# Allegro board RK_TABLET_DEMO1_RK3576_LP4XD200P132SD6_V12_20240530YWQ.brd (continued)
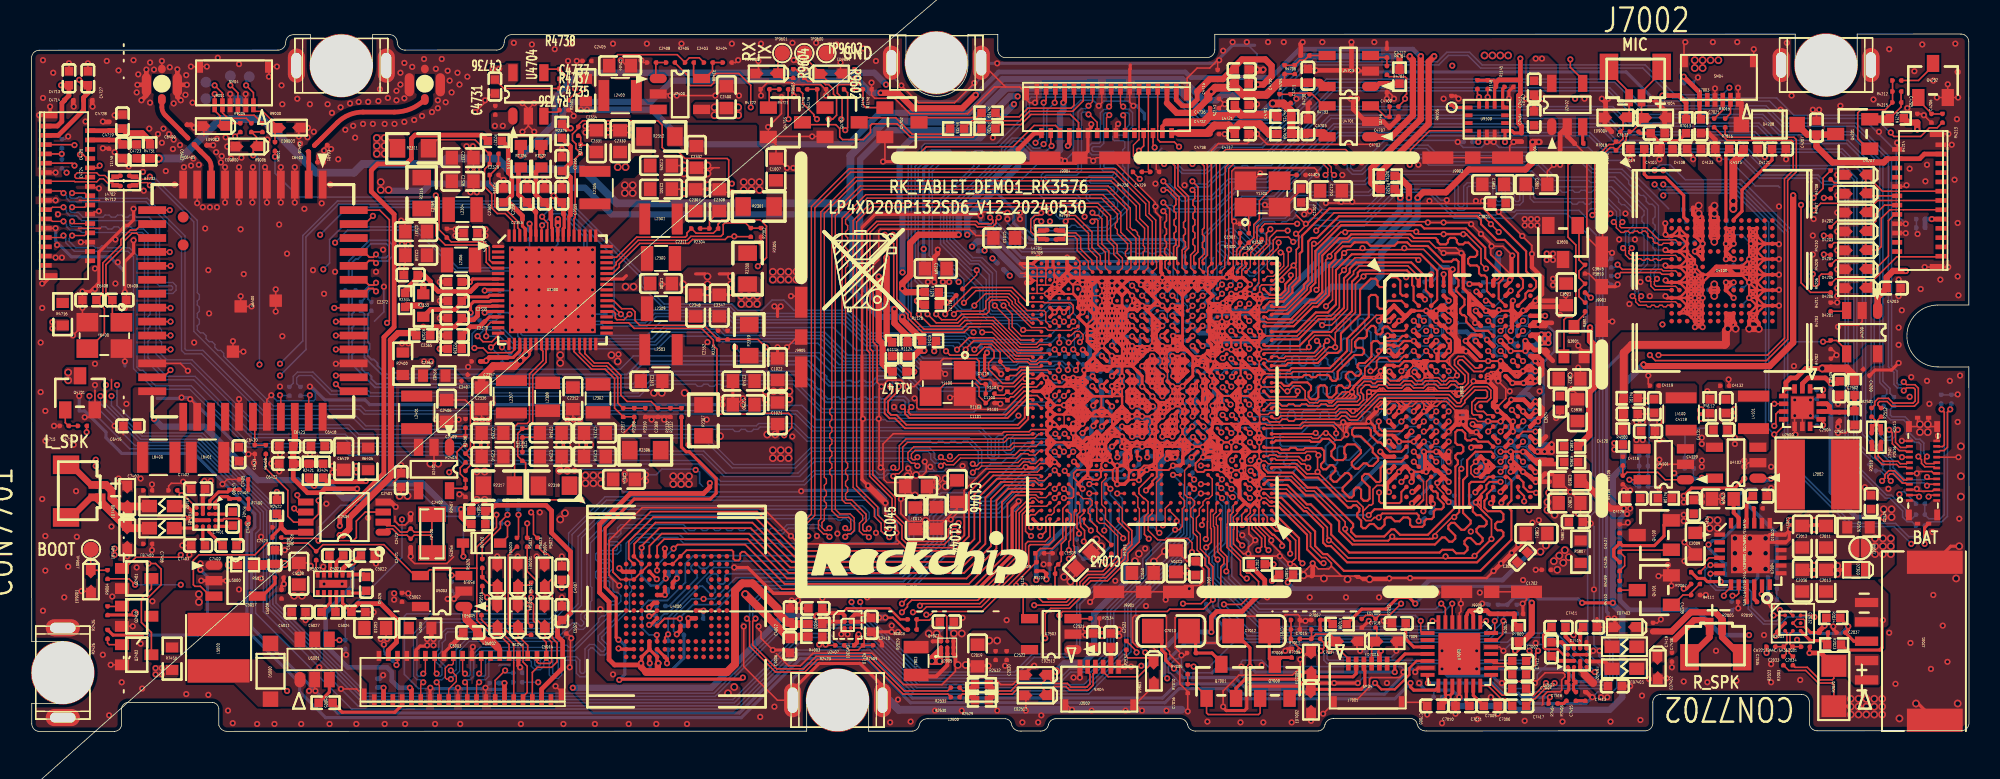
[diagram p0: board, top side]
## Routing (per net, layer and track width the routed paths; a pad name or vN(x,y) marks a point on that pad's centre or on a via; arc(x,y) is an arc through that point) (continued)
  L4-SIG w0.102: v1(95.51,11.53) 97.41,13.44 97.41,15.67 97.84,16.1 97.84,16.61 97.42,17.03 ; 90.37,22.87 v1(89.96,23.27) 89.56,22.87 ; 90.37,22.87 91.78,22.87 91.9,22.99 v1(91.98,22.99) 91.98,23.07 92.15,23.24 93.89,23.24 93.99,23.34 v1(93.99,23.92) ; 90.37,22.87 89.56,22.87 ; v1(95.59,27.82) 95.44,27.82 95.11,28.15 95.11,28.9 95.01,29.01 94.26,29.01 94.16,29.11 94.16,29.58 94.01,29.73 ; v1(95.59,27.82) 95.65,27.76 95.65,26.12 95.44,25.92 v1(95.44,25.87) v1(94.79,25.22) 94.79,25.23 94.44,25.58 94.44,26.97 v1(94.69,27.22) 94.69,27.47 93.46,28.7 93.45,28.7 92.31,29.84 91.9,29.84 ; v1(95.59,27.82) 95.79,28.02 95.79,28.77 v1(95.39,29.17) 95.39,29.25 94.91,29.73 94.01,29.73 ; 79.25,22.88 79.27,22.88 79.28,22.87 86.65,22.87 ; 86.65,22.87 v1(87.06,23.27) 87.46,22.87 ; 86.65,22.87 87.46,22.87 ; 79.8,15.08 80.03,14.86 86.46,14.86 86.83,14.49 88.84,14.49 v1(89.07,14.73) 89.2,14.73 89.72,15.24 89.72,16.5 v1(89.99,16.77) 90.26,17.04 90.26,17.65 90.64,18.03 v1(90.64,18.07) ; 82.24,12.32 80.85,12.32 80.83,12.34 v1(79.99,12.34) 80.35,11.99 80.35,11.65 80.54,11.45 v1(80.54,11.32) ; v1(62.03,38.35) 61.78,38.61 54.44,38.61 51.97,41.07 v1(51.26,41.07) ; v1(77.98,25.91) 78.37,25.52 78.76,25.52 79.07,25.83 v1(79.26,25.83) 79.57,25.83 80.58,24.82 82.42,24.82 v1(82.42,24.82) ; v1(89.84,18.07) 89.81,18.07 89.46,18.41 89.46,18.45 v1(89.19,18.72) 88.88,18.41 88.83,18.41 88.7,18.29 87.25,18.29 v1(87.03,18.07) 87.03,18.93 86.78,19.18 85.61,19.18 85.03,18.6 83.49,18.6 ; v1(89.84,18.07) 89.84,18.16 ; v1(89.84,18.07) 89.72,17.95 89.72,17.38 89.11,16.77 v1(89.04,16.77) ; v1(78.11,17.47) 78.12,17.47 78.52,17.87 78.81,17.87 79.2,17.47 v1(79.22,17.47) 79.27,17.47 80.36,18.56 81.89,18.56 81.99,18.46 81.99,18.16 ; 88.9,26.19 88.9,26.19 88.57,26.52 v1(88.24,26.52) ; 90.29,24.22 90.28,24.22 90.28,24.22 87.41,24.22 87.06,24.57 v1(86.93,24.57) 86.93,24.44 86.7,24.22 85.84,24.22 85.28,23.66 79.9,23.66 79.49,24.07 79.22,24.07 v1(79.22,24.07) ; 90.29,24.22 v1(90.64,24.57) 90.99,24.22 ; 90.29,24.22 90.99,24.22 ; 77.04,13.32 77.04,11.91 77.4,11.56 ; 92.27,14.33 92.73,14.8 v1(93.19,14.8) 92.76,15.22 92.76,15.54 93.01,15.79 94.46,15.79 v1(94.79,16.12) v1(95.44,16.77) ; 92.27,14.33 92.08,14.33 90.01,12.26 88.76,12.26 88.83,12.19 ; 92.27,14.33 91.8,13.86 v1(91.8,13.84) v1(90.57,12.61) 90.15,12.19 88.83,12.19 ; 92.23,16.46 93.38,16.46 93.84,16.92 v1(93.84,17.42) ; 92.23,16.46 v1(93.19,17.42) v1(93.84,17.42) ; 92.23,16.46 91.94,16.46 91.79,16.31 91.79,15.17 v1(91.44,14.82) 91.44,14.61 90.51,13.68 89.6,13.68 v1(89.51,13.59) ; 87.11,16.38 87.85,16.38 v1(88.24,16.77) ; 87.11,16.38 87.21,16.48 87.21,16.92 87.47,17.17 87.84,17.17 v1(88.24,16.77) ; 87.11,16.38 82.09,16.38 81.99,16.48 81.99,18.15 81.99,18.16 ; v1(78.12,12.68) 78.33,12.88 78.46,12.88 79.56,13.97 85.52,13.97 ; v1(78.12,12.68) 77.92,12.88 77.7,12.88 77.6,12.78 77.6,12.19 ; v1(78.12,12.68) 77.64,12.19 77.6,12.19 ; 84.57,31.49 85.4,31.49 ; 84.57,31.49 84.16,31.49 81.65,28.98 80.85,28.98 v1(80.67,29.16) ; 84.57,31.49 v1(83.76,30.68) ; 85.4,31.49 84.8,30.9 v1(84.7,30.9) ; 85.4,31.49 85.68,31.22 v1(85.88,31.22) v1(88.58,31.22) 88.86,31.49 93.09,31.49 94.41,30.18 95.23,30.18 96.3,29.1 96.3,27.26 96.25,27.21 v1(96.25,27.18) ; 87.06,26.52 v1(86.93,26.52) 86.26,26.52 84.56,24.82 v1(84.12,24.82) v1(82.42,24.82) ; 87.06,26.52 87.41,26.17 87.89,26.17 v1(88.24,26.52) ; 87.06,26.52 87.41,26.87 87.76,26.87 88.11,26.52 v1(88.24,26.52) ; 90.45,26.33 v1(90.64,26.52) ; 86.9,13.82 v1(86.93,13.82) ; v1(86.93,13.82) 87.08,13.97 89.09,13.97 89.91,14.79 90.01,14.79 90.19,14.97 90.19,16.13 90.99,16.92 90.99,17.02 91.39,17.42 v1(91.44,17.42) ; v1(86.93,13.82) 86.72,14.02 86.7,14.02 86.4,14.32 85.88,14.32 ; 95.55,30.74 v1(95.55,30.74) 95.43,30.74 94.83,31.34 v1(94.21,31.34) 94.21,31.47 93.54,32.13 v1(93.53,32.13) 93.52,32.13 92.39,32.13 v1(92.38,32.12) 92.37,32.13 91.12,32.13 v1(91.11,32.12) 91.1,32.13 89.58,32.13 89.43,32.28 v1(89.35,32.28) 89.31,32.24 v1(84.76,32.24) 84.15,32.24 83.53,31.62 82.87,31.62 v1(82.75,31.5) ; 95.55,30.74 95.63,30.74 96,31.11 96,31.4 95.35,32.06 94.87,32.06 v1(94.67,32.26) v1(94.16,32.77) 94.05,32.87 93,32.87 v1(92.89,32.77) 92.78,32.87 v1(91.11,32.87) v1(90.1,32.87) 83.87,32.87 83.63,32.64 83.19,32.64 v1(82.9,32.35) 82.74,32.19 82.74,31.51 v1(82.75,31.5) ; 95.55,30.74 97.04,29.25 v1(97.04,27.82) 96.84,27.62 96.84,26.73 96.59,26.48 96.59,25.72 96.39,25.52 v1(96.39,25.22) ; 90.99,24.22 91.59,24.22 91.79,24.42 91.79,25.52 v1(91.44,25.87) ; 110.47,23.7 110.47,18.19 110.33,18.06 106.56,18.06 104.47,15.98 104.47,13.03 100.97,9.52 100.97,7.7 v1(99.49,6.22) 97.87,4.6 86.9,4.6 86.69,4.39 81.82,4.39 80.6,5.61 75.87,5.61 73.59,7.89 73.59,8.1 v1(73.18,8.51) 72.62,9.07 71.71,9.07 69.32,11.45 69.07,11.45 68.76,11.15 68.76,10.79 69.83,9.73 v1(69.93,9.73) 69.93,9.63 71.45,8.1 v1(71.91,8.1) 72.22,8.1 73.99,6.32 74.58,6.32 75.7,5.21 78.92,5.21 80.14,3.99 86.9,3.99 87.1,4.19 98.27,4.19 101.37,7.3 101.37,9.32 104.88,12.83 104.88,15.57 v1(105.03,15.72) ; v1(82.42,24.82) 82.6,25 ; v1(94.67,33.55) 94.67,33.53 v1(96.19,32) 96.81,31.39 v1(96.81,30.84) 97.73,29.92 97.73,27.74 97.31,27.32 97.31,26.39 v1(97.21,26.29) 97.21,26.24 96.99,26.02 96.99,24.78 97.86,23.91 97.86,19.54 v1(97.04,18.72) 96.69,19.07 96.09,19.07 96.07,19.05 ; 87.48,12.26 87.41,12.19 ; 87.48,12.26 84.13,12.26 ; 87.48,12.26 v1(87.8,12.58) 88.19,12.19 ; 87.41,12.19 83.86,12.19 83.79,12.26 ; 87.41,12.19 88.19,12.19 ; 87.38,14.94 87.59,15.15 v1(87.59,15.46) 87.64,15.51 88.43,15.51 ; 87.38,14.94 86.97,14.94 86.55,15.37 80.36,15.37 79.47,16.26 v1(78.63,16.26) 78.4,16.49 78.39,16.49 v1(78.05,16.83) ; 87.38,14.94 87.86,14.94 88.43,15.51 ; 77.6,12.19 77.6,11.99 ; v1(79.26,21.12) 79.35,21.21 82.98,21.21 83.7,21.93 v1(85.2,21.93) v1(86.3,21.93) 91.9,21.93 91.95,21.88 92.03,21.88 92.08,21.82 v1(92.1,21.82) 92.2,21.93 95.26,21.93 95.3,21.97 v1(95.38,21.97) 95.52,21.97 95.91,22.36 95.91,22.94 v1(96.24,23.27) 96.59,23.62 96.59,24.37 v1(96.39,24.57) ; v1(89.04,16.77) v1(88.24,16.77) ; v1(89.04,16.77) v1(89.04,16.12) 88.43,15.51 ; 83.79,12.26 84.13,12.26 ; 83.79,12.26 v1(83.71,12.34) 84.04,12.34 84.13,12.26 ; v1(91.44,18.07) 91.35,18.16 ; v1(19.59,29.69) 19.43,29.69 17.61,27.86 17.61,15.98 18.11,15.47 18.52,15.47 18.87,15.12 18.87,14.91 19.03,14.76 v1(19.03,14.71) 18.88,14.71 18.67,14.5 18.37,14.5 17.5,15.37 17.5,15.47 17.2,15.77 17.2,28.83 v1(18.16,29.79) 19.13,30.76 20.5,30.76 ; 82.28,18.29 83.18,18.29 83.49,18.6 ; 82.28,18.29 82.12,18.29 81.99,18.16 ; 82.28,18.29 82.59,18.6 83.49,18.6 ; J9912.2 49.11,2.93 50.57,4.39 53.47,4.39 54.33,3.53 54.33,2.59 J9912.3 ; v1(84.15,36.75) 84.15,36.8 ; 89.56,22.87 89.09,22.87 89.09,22.87 87.46,22.87 ; v1(93.22,19.34) 92.6,19.34 92.38,19.56 v1(92.38,20.01) 92.38,20.2 91.55,21.03 86.97,21.03 v1(86.77,20.83) 85.4,20.83 v1(85.27,20.69) 85.27,20.61 v1(84.64,19.97) 80.22,19.97 79.52,19.27 v1(79.22,19.27) ; 82.17,32.74 83.15,33.72 ; 82.17,32.74 81.82,32.38 81.51,32.38 81.26,32.64 81.26,33.4 82.68,34.82 87.32,34.82 87.52,35.03 90.45,35.03 90.6,34.87 96.9,34.87 101.43,30.35 ; 82.17,32.74 v1(82.22,32.79) ; v1(94.79,23.92) v1(95.44,24.57) ; v1(97.04,23.27) 97.46,22.85 97.46,21.09 v1(97.05,20.69) ; v1(77.93,26.46) 78.01,26.46 78.4,26.85 82.03,26.85 82.63,27.46 v1(83.52,27.46) 83.86,27.46 84.13,27.73 84.13,28.57 84.38,28.83 85.23,28.83 85.79,29.4 85.94,29.4 v1(85.94,29.39) 85.94,29.42 86.17,29.64 88.4,29.64 v1(88.7,29.34) v1(89.46,29.34) ; 82.6,11.25 82.67,11.18 82.67,10.86 ; 88.83,12.19 88.19,12.19 ; v1(95.44,18.07) 95.44,18.2 ; 97.42,17.03 97.3,17.15 97.3,17.3 v1(97.3,17.3) ; 97.42,17.03 97.42,16.48 v1(97.06,16.12) 96.69,16.12 95.94,15.37 95.94,14.35 95.2,13.62 93.58,13.62 92.87,12.91 v1(92.87,12.91) ; v1(102.34,28.88) 102.75,29.29 102.75,29.59 102.54,29.79 101.98,29.79 ; 89.47,27.69 89.47,28 89.73,28.25 90.1,28.25 90.1,28.18 90.24,28.04 90.24,27.42 v1(89.99,27.17) 89.47,27.69 ; 89.47,27.69 86.73,27.69 86.35,28.07 85.65,28.07 83.83,26.24 v1(83.28,26.24) 83.19,26.24 82.6,25.65 82.6,25.53 ; 4.09,21.11 v1(4.09,22.38) v1(4.09,23.75) v1(4.09,28.57) v1(4.09,29.9) 4.09,33.35 v1(4.35,33.6) 3.81,34.14 ; v1(93.84,17.42) 94.22,17.8 95.06,17.8 v1(95.44,17.42) ; 71.91,34.57 70.89,35.58 70.89,36.14 71,36.25 72.52,36.25 72.67,36.09 75.31,36.09 75.82,36.6 80.29,36.6 82.17,38.48 89.66,38.48 90.82,37.31 95.43,37.31 95.74,37.62 105.22,37.62 106.05,36.79 106.05,24.05 104.98,22.99 v1(104.32,22.99) 102.44,22.99 100.76,21.31 100.76,14.11 97.46,10.81 96.5,10.81 93.92,8.24 93.62,8.24 v1(93.6,8.25) 93.25,7.9 87.76,7.9 87.56,8.1 78.77,8.1 77.45,9.42 77.45,10.74 76.63,11.56 76.63,13.22 76.53,13.32 ; v1(78,22.83) 78,22.85 78.64,23.49 79.45,23.49 79.68,23.27 85.45,23.27 86,23.82 91.82,23.82 v1(92.55,24.55) 93.19,25.19 v1(93.19,25.22) ; v1(79.73,8.66) v1(82.48,8.66) v1(84.81,8.66) v1(86.95,8.66) 87.25,8.97 v1(90.71,8.97) v1(93.45,8.97) 94.06,8.97 97.56,12.47 98.43,12.47 99.8,13.84 v1(99.8,14.05) 100.36,14.6 100.36,21.61 102.39,23.65 102.44,23.65 102.85,24.05 104.17,24.05 104.68,23.55 104.93,23.55 105.64,24.26 105.64,27.76 105.43,27.97 v1(105.43,28.12) 105.44,28.13 v1(105.44,29.13) 105.44,33.35 105.64,33.55 105.64,36.5 105.18,36.96 v1(105.04,36.96) v1(103.16,36.96) 102.91,37.21 95.94,37.21 95.63,36.91 90.66,36.91 89.49,38.07 82.43,38.07 80.55,36.19 79.43,36.19 v1(79.28,36.04) 76.03,36.04 75.47,35.48 75.47,34.87 75.21,34.62 74.55,34.62 74.4,34.77 v1(74.4,35.28) ; v1(89.46,29.34) 89.72,29.34 89.88,29.17 92.19,29.17 92.38,29.36 92.38,29.44 v1(92.41,29.46) 92.38,29.46 92.26,29.59 92.15,29.59 91.9,29.84 ; v1(89.46,29.34) 89.72,29.59 89.75,29.59 90.13,29.96 90.49,29.96 90.55,29.9 91.49,29.9 91.54,29.84 v1(91.7,29.84) 91.9,29.84 ; v1(106,16.69) 106.4,17.09 v1(107.78,17.09) v1(110.52,17.09) 110.77,17.09 110.87,17.2 110.87,23.46 114.31,26.9 114.38,26.9 114.38,32.49 v1(114.99,33.1) 115.34,33.45 115.34,33.81 115.14,34.01 114.73,34.01 113.97,33.25 ; 79.17,8.71 78.77,8.71 77.85,9.63 77.85,10.95 77.5,11.3 ; v1(93.98,20.03) 93.98,20.8 93.82,20.95 92.2,20.95 91.67,21.49 86.65,21.49 86.46,21.3 83.97,21.3 83.24,20.57 80.06,20.57 ; 80.06,29.31 80.52,29.31 81,29.79 81.13,29.79 v1(81.43,30.1) 81.43,30.22 82.71,31.5 v1(82.75,31.5) ; v1(62.31,43.15) 62.37,43.22 76.44,43.22 76.58,43.36 v1(76.63,43.36) ; 93.74,34.26 v1(93.65,34.26) ; v1(7.77,11.71) 7.77,11.33 8.05,11.05 8.05,10.59 7.9,10.44 ; 94.01,29.73 v1(93.85,29.9) 92.85,30.9 v1(92.26,30.9) v1(91.11,30.9) ; 80.49,30.21 80.74,30.21 81.84,31.32 81.84,31.89 v1(81.59,32.15) 81.59,32.41 ; 82.89,33.5 v1(83.52,34.13) 83.87,34.13 84.28,33.72 89.08,33.72 89.46,34.1 ; v1(106.71,44.53) 106.66,44.57 86.69,44.57 v1(86.64,44.53) ; 85.78,13.72 85.86,13.64 86.75,13.64 86.83,13.72 ; v1(78.96,12.35) 78.96,12.49 79.68,13.2 80.31,13.2 v1(80.42,13.31) ; 80.2,29.32 80.06,29.32 ; 91.11,27.5 91.11,27.96 91.24,28.09 91.24,28.25 91.51,28.25 91.79,27.97 91.79,27.52 v1(91.44,27.17) 91.11,27.5
  L4-SIG w0.152: 83.06,11.25 82.28,11.25 ; 83.06,11.25 v1(82.67,10.86) 82.67,10.86 82.28,11.25 ; 83.06,11.25 91.18,11.25 v1(91.24,11.3) 91.28,11.34 91.3,11.34 92.87,12.9 v1(92.87,12.91) ; v1(84.76,13.08) 84.87,13.19 87.12,13.19 87.39,13.46 89.38,13.46 v1(89.51,13.59) ; 80.4,11.25 80.47,11.32 v1(80.54,11.32) ; 80.4,11.25 80.78,11.25 v1(81.21,10.82) 81.64,11.25 82.28,11.25 ; 80.4,11.25 78.34,11.25 77.6,11.99
  L4-SIG w0.203: v1(79.22,27.67) 79.61,28.07 81.84,28.07 82.3,28.52 v1(82.91,28.52) 82.91,29.53 83.18,29.79 v1(84.69,29.79) 84.69,30.01 85.26,30.58 89.34,30.58 89.47,30.45 v1(89.49,30.45) 89.49,30.6 89.79,30.9 v1(91.11,30.9) ; v1(80.42,13.31) 80.52,13.21 84.64,13.21 v1(84.76,13.08) ; 89.89,0.69 89.39,1.19 83.04,1.19 82.56,0.72 v1(82.56,0.69) ; J9915.3 61.32,43.15 v1(62.31,43.15) ; 82.24,12.32 82.36,12.45 83.61,12.45 v1(83.71,12.34) 83.69,12.32 82.24,12.32
  L4-SIG w0.254: 79.79,15.07 v1(79.22,15.07) v1(79.22,15.67) 79.8,15.08 79.79,15.07
  L4-SIG w0.406: J9912.2 49.11,1.04 48.55,0.48 v1(42.29,0.48) v1(40.31,0.48) v1(38.53,0.48) v1(36.35,0.48) v1(34.32,0.48) v1(31.58,0.48) v1(27.66,0.48) v1(26.04,0.48) v1(24.11,0.48) v1(22.79,0.48) v1(20.96,0.48) v1(19.23,0.48) v1(17.4,0.48) v1(15.67,0.48) v1(14.56,0.48) 13.54,0.48 13.19,0.84
  BOTTOM w0.089: v1(67.22,22.85) 67.5,22.56 C1105.2 ; v1(56.52,22.28) 56.26,22.53 56.26,22.68 55.65,23.29 55,23.29 ; C1509.2 70.95,27.43 v1(71.02,27.5) ; v1(72.33,21.64) 72.01,21.32 C1015.2 ; v1(60.07,17.14) 59.91,16.98 59.05,16.98 58.85,16.79 58.3,16.79 ; v2(56.52,16.48) 56.68,16.32 56.81,16.32 57.05,16.56 v2(57.08,16.56) 57.1,16.56 57.33,16.79 57.67,16.79 ; 90.38,24.68 90.16,24.9 89.62,24.9 C3806.2 ; v1(57.99,17.09) 58.3,16.79 ; 58.3,16.79 57.67,16.79 ; 73.94,30.57 73.94,27.75 73.99,27.7 73.99,27.57 C1406.2 ; 74.82,28.8 74.72,28.7 R1401.2 ; C3800.2 96.15,19.47 96.44,19.77 96.84,19.77 96.91,19.69 97.34,19.69 97.43,19.61 C3843.2 ; v1(73.65,25.55) 73.94,25.84 C1402.2 ; R1402.2 71.37,29.06 v1(71.58,28.85) 71.86,28.85 R1400.2 ; C1405.2 72.7,27.17 U1000.2R5 ; C1018.2 70.34,20.37 v1(70.37,20.35) 70.68,20.03 C1033.2 ; v1(57.64,17.42) 57.64,17.4 57.67,17.36 57.67,16.79 ; v1(72.97,23.59) 73.32,23.23 73.32,22.66 73.32,22.65 ; v1(61.14,20.95) 60.82,20.63 55.93,20.63 55.65,20.9 v1(55.65,20.95) ; v1(72.97,26.2) 73.29,26.52 U1000.2R5 ; v1(67.82,19.87) 67.98,20.03 C1510.2 ; C1120.2 67.74,23.72 C1106.2 67.86,23.39 v1(67.92,23.34) ; C1028.2 74.49,20.12 ; v1(70.37,19.05) 70.37,18.94 C1032.2 ; 76.28,28.13 76.28,27.76 76.37,27.67 v1(76.89,27.67) ; R2517.2 C1404.2 74.84,29.2 v1(74.84,28.82) ; C1111.2 67.82,16.27 v1(67.82,15.67) 67.77,15.63 C1110.2 ; C1102.2 69.58,24.13 v1(69.7,24.26) ; v1(63.68,20.4) 63.32,20.03 55.21,20.03 55.1,20.14 55,20.14 ; C1408.2 71.79,27.5 v1(71.67,27.5) ; 76.23,30.57 76.23,28.3 R1301.2 76.3,27.68 C1305.2 ; U1000.2R5 v1(73.62,27.5) ; v1(86.93,26.52) 86.67,26.78 ; v1(75.02,15.67) 74.76,15.41 74.76,13.32 ; v1(69.72,28.8) 69.39,28.47 69.39,27.82 v1(69.07,27.5) ; C1309.2 v1(71.45,16.23)
  BOTTOM w0.102: 83.63,34.02 v1(83.52,34.13) ; 82.78,5.56 81.26,5.56 v1(80.9,5.21) ; 82.78,5.56 84,5.56 84.2,5.36 84.2,5.05 84.46,4.8 87.76,4.8 88.06,5.1 v1(88.06,5.21) ; 82.78,5.56 v1(81.87,4.65) ; TP9003.1 12.93,41.17 v1(12.82,41.17) ; 55,23.29 51.54,23.29 50.57,24.26 38.84,24.26 37.98,23.39 24.69,23.39 ; 73.94,30.57 73.94,31.37 73.79,31.52 64.29,31.52 62.97,32.84 v1(62.97,33.1) 62.97,33.2 62.46,33.71 61.5,33.71 61.24,33.45 v1(61.24,33.3) ; C3815.2 95.54,20.02 v1(95.59,20.02) ; C3815.2 95.47,19.37 v1(95.59,19.37) ; C3815.2 94.82,20.02 v1(94.79,20.02) 94.75,20.02 C3840.2 94.05,20.01 94,20.01 v1(93.98,20.03) ; 76.28,30.62 76.23,30.57 ; v1(104.63,40.87) 104.78,40.72 112.14,40.72 113.26,39.6 118.19,39.6 120.32,37.46 120.32,33.4 v1(120.93,32.79) ; R4114.2 106.35,16.33 v1(106,16.69) ; 100.36,33.15 100.36,32.66 100.96,32.06 100.96,26.28 100.91,26.23 100.91,14.25 100.61,13.94 v1(100.61,13.44) 100.82,13.23 v1(100.82,9.17) 100.82,5.56 v1(101.17,5.21) ; 100.36,33.15 100.36,33.51 100.62,33.76 101.57,33.76 v1(101.88,33.45) ; 100.36,33.15 99.85,33.65 95.78,33.65 95.68,33.55 v1(94.67,33.55) 94.47,33.36 91.88,33.36 91.24,33.99 91.24,34.24 v1(91.32,34.31) 90.93,34.31 90.22,35.03 88.08,35.03 86.07,33.02 83.11,33.02 82.98,33.15 82.58,33.15 v1(82.22,32.79) ; R4005.2 40.62,7.27 40.62,7.39 40.82,7.59 41.02,7.59 44.02,10.59 v1(45.34,10.59) 45.49,10.44 56.06,10.44 57.94,12.32 57.94,13.89 58.91,14.86 62.11,14.86 64.16,16.91 v1(64.16,17.08) ; 112.8,35.13 112.7,35.23 111.23,35.23 109.5,36.96 v1(108.89,36.96) ; J9915.2 55.48,42.36 v1(56.12,41.72) 57.13,40.72 59.77,40.72 61.24,42.19 61.24,43.15 J9915.3 ; v1(15.47,21.72) 15.83,21.36 18.21,21.36 18.32,21.46 18.32,21.87 17.96,22.22 v1(17.96,22.28) ; C4114.2 110.42,30.1 v1(110.83,30.5) ; R4107.2 104.88,15.82 104.98,15.72 v1(105.03,15.72) ; v1(22.74,5.61) 22.74,5.16 R5015.2 ; C2367.2 29.95,26.54 30.17,26.77 C2364.2 30.76,27.05 v1(31.02,26.8) ; 73.65,25.61 v1(73.65,25.55) 73.94,25.25 ; v1(79.27,28.23) 79.84,28.23 79.94,28.33 79.94,28.73 80.37,29.16 v1(80.67,29.16) ; v1(92.26,16.97) 92.26,17.49 92.38,17.62 ; v1(110.83,29) 110.45,28.63 C4112.2 ; 74.16,3.07 73.84,3.39 73.84,3.43 73.49,3.78 73.37,3.78 73.36,3.78 73.36,4.21 73.85,4.7 73.98,4.7 v1(74.2,4.92) 74.2,4.09 74.5,3.78 76.18,3.78 ; v1(79.22,24.67) 79.73,24.67 79.84,24.78 79.84,24.92 ; 74.76,13.32 74.76,12.57 74.09,11.91 74.09,11.4 70.74,8.05 70.74,5.26 68.1,2.62 57.04,2.62 54.19,5.46 52,5.46 51.39,6.07 49.9,6.07 45.48,1.65 21.06,1.65 v1(19.97,2.74) v1(18.57,4.14) 14.96,7.75 14.96,14.18 10.68,18.47 6.68,18.47 4.09,21.06 v1(4.09,22.38) ; C4204.2 C4201.2 121.62,32.2 v1(121.69,32.13) ; v1(30.36,24.82) 30.76,24.41 C2362.2 ; C4100.2 105.95,31.57 v1(105.43,32.09) ; 70.54,32.03 64.6,32.03 64.16,32.46 64.16,33.76 64.26,33.86 65.61,33.86 65.71,33.76 v1(65.71,33.5) ; 30.15,4.24 30.2,4.29 30.86,4.29 ; v1(45.9,21.51) v1(45.9,21.11) 45.95,21.06 49.71,21.06 50.63,20.14 55,20.14 ; v1(27.26,8.56) 27.26,8.94 R5001.2 ; 78.79,14.72 78.47,14.72 78.08,15.11 78.08,15.56 78.03,15.6 78.03,15.65 77.98,15.7 77.98,15.71 v1(77.45,16.23) ; 78.79,14.72 78.86,14.72 v1(79.22,15.07) ; 78.79,14.72 77.77,13.7 77.77,13.03 v1(78.12,12.68) 78.54,12.26 78.54,11.51 v1(78.51,11.48) 78.57,11.48 78.62,11.43 78.64,11.43 78.72,11.35 80.51,11.35 v1(80.54,11.32) 80.54,11.08 81.47,10.16 81.99,10.16 v2(82.07,10.08) ; 94.97,2.87 95.08,2.77 96.35,2.77 96.55,2.56 98.22,2.56 98.43,2.36 98.68,2.36 ; 90.4,2.67 90.48,2.59 C7001.2 ; v1(66.02,17.4) 65.41,16.79 ; v1(81.61,40.87) 81.61,40.72 79.73,38.84 79.33,38.84 v1(79.07,38.58) ; v1(85.58,3.12) 85.93,3.48 88.27,3.48 88.32,3.43 ; v1(22.74,28.73) 22.74,27.1 22.13,26.49 ; v1(43.36,7.8) 44.12,7.8 45.75,9.42 56.37,9.42 58.96,12.01 58.96,13.44 59.36,13.84 63.02,13.84 63.69,14.51 v1(63.69,14.87) ; 78.51,44.32 79.07,43.76 v1(79.07,42.75) 79.12,42.7 79.43,42.7 v1(79.48,42.75) ; 39.86,12.22 39.2,12.22 ; 39.3,16.94 35.49,16.94 35.44,16.89 35.43,16.89 ; 39.3,16.94 39.8,16.94 ; 39.3,16.94 v1(39.65,16.59) 39.66,16.58 40.31,16.58 40.67,16.94 42.8,16.94 v1(42.85,16.89) 42.95,16.89 43.11,16.74 43.11,16.03 43.31,15.82 ; R2004.1 109.83,7.95 v1(110.12,7.95) ; R2504.2 R2503.2 124.26,21.74 v1(124.29,21.77) ; v1(41.63,6.27) 41.43,6.48 41.43,7.39 42.6,8.56 v1(43.36,8.56) 44.07,8.56 45.44,9.93 56.16,9.93 58.45,12.22 58.45,13.69 59.11,14.35 62.36,14.35 64.34,16.33 65,16.33 65.15,16.48 ; C2371.2 30.97,28.47 v1(31.02,28.52) ; 63.53,34.82 63.53,35.28 64.9,36.65 66.47,36.65 v1(66.68,36.85) 67.22,37.4 67.22,40.3 67.69,40.77 68.51,40.77 v1(68.86,40.41) 69.17,40.72 70.79,40.72 v1(71.1,40.41) ; 86.67,26.78 86.53,26.92 83.75,26.92 83.47,26.65 83.47,26.44 v1(83.28,26.24) 82.98,26.54 81.33,26.54 ; C5020.2 29.57,3.1 v1(29.29,2.82) ; v1(41.01,4.4) 41.07,4.47 C4003.2 ; v1(114.79,20.4) 114.87,20.32 C2507.2 ; C4105.2 107.65,28.33 v1(107.33,28) ; C4102.2 106.59,33.15 C4101.2 ; v1(94.35,38.07) 94.7,37.72 100.46,37.72 101.3,36.88 102.52,36.88 105.64,33.76 ; v1(72.57,36.96) 72.57,37.31 72.93,37.67 ; C4113.2 110.39,27.56 v1(110.83,28) ; v1(20.3,4.95) 20.25,5 R5006.2 ; C2506.2 114.87,21.49 v1(114.79,21.41) ; v1(31.93,31.11) 32.13,31.32 C2359.2 ; v1(65.45,22.84) 65.58,22.84 65.91,22.51 66.47,22.51 66.62,22.65 v1(66.62,22.87) ; 90.38,24.68 90.49,24.57 v1(90.64,24.57) ; 38.08,15.57 38.18,15.47 49.51,15.47 49.61,15.57 v1(49.66,15.52) ; v1(69.72,28.8) 69.68,28.8 ; C5015.2 31.65,4.02 v1(31.52,4.14) ; C2366.2 36.3,26.95 v1(36.2,26.85) ; C7008.2 96.13,8.17 v1(96.21,8.25) ; v1(102.34,28.88) 102.32,28.86 C4109.2 101.58,29.21 101.58,30.25 101.85,30.53 C4110.2 101.93,30.86 v1(101.98,30.91) ; C4730.2 2.18,38.25 v1(2.37,38.43) ; C2354.2 33.96,31.47 v1(33.61,31.11) ; v1(110.94,31.5) 110.36,32.08 C4107.2 C4106.2 ; v1(93.91,38.07) 93.55,37.72 92.38,37.72 v1(92.03,38.07) 91.93,38.18 87.3,38.18 85.88,36.75 v1(85.83,36.75) 85.47,37.11 83.9,37.11 82.98,36.19 82.98,35.99 82.94,35.94 v1(82.94,35.94) 82.73,35.94 82.22,35.43 81.77,35.43 80.39,34.06 78.46,34.06 77.6,33.2 v1(77.6,32.94) ; C1406.2 74.35,27.21 74.35,26.83 74.24,26.72 74.24,26.2 C1802.2 ; J9912.2 49.11,2.88 ; v1(78.06,4.19) 78.06,4.5 78.16,4.6 79.38,4.6 79.78,4.19 88.37,4.19 88.52,4.04 v1(88.52,3.83) ; v1(72.87,30.61) 72.87,29.42 v1(72.97,29.32) ; v1(89.19,25.22) 88.88,25.53 88.06,25.53 87.56,26.03 87.2,26.03 C3841.2 ; v1(100.71,2.21) 101.07,2.56 102.03,2.56 102.29,2.82 102.29,4.24 ; 33.2,7.59 24.21,7.59 24.06,7.44 24.06,3.68 24.97,2.77 25.68,2.77 v1(25.73,2.82) ; v1(94.97,5.21) 95.38,5.61 97.51,5.61 97.92,5.21 97.92,4.44 97.16,3.68 97.16,3.28 v1(97.01,3.12) ; 67.29,18.65 67.23,18.71 64.99,18.71 64.28,18.71 63.25,17.68 62.94,17.68 62.56,17.3 61.9,17.3 60.99,16.38 60.53,16.38 60.38,16.53 60.38,16.84 v1(60.07,17.14) ; v1(112.3,8.1) 112.61,8.41 R2011.2 R2006.2 ; C7022.2 107.19,41.91 v1(107.52,42.24)
  BOTTOM w0.114: v1(55.81,12.83) 55.81,12.28 55.69,12.17 51.13,12.17 51.08,12.22 ; v1(78.6,28.26) 78.66,28.32 78.66,28.33 79.13,28.8 79.13,28.99
  BOTTOM w0.14: 72.97,23.59 v1(72.97,23.59) ; C1002.2 73.32,22.65
  BOTTOM w0.152: 97.57,21.72 97.57,20.33 ; 97.57,21.72 97.57,22.23 ; 97.57,21.72 v1(97.31,21.97) 97.57,22.23 ; 97.57,20.33 97.21,20.69 v1(97.05,20.69) ; 97.57,20.33 97.57,19.17 97.4,19 ; 97.57,22.23 97.57,23.85 98.25,24.54 98.25,25.79 97.85,26.2 97.3,26.2 v1(97.21,26.29) ; C3841.2 86.77,25.78 86.77,25.31 87.06,25.03 87.06,24.72 ; C3826.2 87.46,24.99 87.79,25.32 88.18,25.32 88.28,25.22 v1(89.19,25.22) ; 73.59,17.23 v1(73.65,17.17) ; v1(95.39,29.17) 95.34,29.12 94.86,29.12 94.7,28.96 93.72,28.96 C3811.2 ; 89.9,29.14 90.46,29.14 90.69,29.37 90.69,29.76 C3832.2
  BOTTOM w0.203: v1(74.27,21) 74.59,21.32 C1208.2 ; v1(104.63,40.87) 102.9,42.6 85.68,42.6 v1(85.58,42.7) v1(85.17,42.7) v1(82.88,42.7) ; v1(93.25,4.04) 98.89,4.04 99.7,3.23 101.32,3.23 101.58,3.48 101.58,4.5 101.17,4.9 v1(101.17,5.21) ; v1(44.58,21.51) v1(44.58,21.11) 21.82,21.11 21.52,21.41 18.93,21.41 18.06,22.28 v1(17.96,22.28) ; 8.11,21.51 9.63,21.51 v1(9.68,21.56) 10.14,21.56 v1(10.24,21.46) 10.29,21.46 13.85,17.91 v1(14,17.91) ; v1(3.08,21.67) 3.08,20.7 3.43,20.7 4.8,19.33 4.8,18.97 5.82,17.96 10.49,17.96 14.4,14.05 14.4,13.18 14.2,12.98 14.2,6.73 19.74,1.19 45.67,1.19 49.48,5 54,5 56.85,2.16 72.98,2.16 73.89,3.07 77.5,3.07 78.16,2.41 87.3,2.41 88.52,3.63 v1(88.52,3.83) 88.73,4.04 89.08,4.04 v1(89.28,3.83) ; C2015.2 59.23,6.61 v2(59.52,6.32) ; v1(72.87,30.61) 72.61,30.35 65.2,30.35 v1(64.95,30.61) 63.88,30.61 61.67,32.82 61.32,32.82 61.24,32.89 v1(61.24,33.3) ; J9912.3 54.91,2.9 53.42,4.39 50.12,4.39 49.11,3.39 49.11,2.88 ; v1(6.02,23.9) 6.02,23.6 ; 94.87,2.97 94.97,2.87 ; 94.87,2.97 v1(94.87,3.12) ; 94.87,2.97 94.26,3.58 91.37,3.58 91.01,3.94 v1(91.01,4.04) ; v1(39.86,6.88) 39.89,6.91 R4005.2 ; 81.33,26.54 80.62,25.83 80.62,25.6 79.94,24.92 ; C1309.2 71.65,16.89 v1(71.96,16.89) ; 57.33,8.97 57.13,8.76 49.76,8.76 v1(49.46,8.46) ; v1(39.89,4.4) 39.92,4.37 C4001.2 ; C9105.2 v1(92.03,38.07) ; R9601.2 C1110.2 ; v1(49.66,15.52) 49.71,15.57 54.59,15.57 55.1,15.06 v1(55.1,14.76) 55.1,14.15 55.81,13.44 v1(55.81,12.83) ; v1(101.73,7.29) 101.73,7.64 101.63,7.75 101.63,23.44 102.64,24.46 ; J9915.3 61.32,43.15 v1(62.31,43.15) 70.79,43.15 70.89,43.05 71,43.15 76.33,43.15 76.53,43.36 v1(76.63,43.36) 76.63,43.46 77.5,44.32 78.92,44.32 ; v1(93.6,8.25) 93.93,8.25 C7007.2 ; 89.49,3.12 v1(89.54,3.12) 89.54,3.07 89.94,2.67 91.67,2.67 v1(92.13,2.21) 92.28,2.06 95.84,2.06 96.09,1.8 100.31,1.8 v1(100.71,2.21) ; R7004.2 v1(85.73,5.21) ; 71.81,39.55 71.81,39.9 71.3,40.41 v1(71.1,40.41) ; v1(25.73,2.82) 25.78,2.77 27.46,2.77 v1(27.51,2.82) 27.56,2.77 29.24,2.77 v1(29.29,2.82) 29.39,2.72 30.61,2.72 ; C4004.2 43.33,7.77 v1(43.36,7.8) ; 76.18,3.78 76.43,4.04 77.9,4.04 v1(78.06,4.19) 78.06,3.68 78.62,3.12 v1(84.05,3.12) v1(85.58,3.12) ; v1(79.26,25.83) 79.03,26.06 C1310.2 ; v1(6.02,28.37) 5.97,28.42 5.97,29.74 5.06,30.66 2.57,30.66 1.55,31.67 v1(1.55,32.5)
  BOTTOM w0.229: v1(75.59,17.71) 75.61,17.73 75.61,18.33 v1(75.57,18.37) ; C1009.2 73.95,24.59 v1(73.65,24.9) ; v1(91.7,29.84) 91.54,29.69 91.54,29.23 C3813.2 91.78,29.23 92.01,29.46 v1(92.41,29.46) ; v1(67.82,28.27) v1(67.82,28.87)
  BOTTOM w0.254: v1(89.04,16.77) 89.04,16.8 88.52,17.32 87.1,17.32 85.02,15.24 80.57,15.24 79.22,16.59 v1(79.22,17.47) ; C3830.2 89.07,20.02 v1(89.19,20.02) ; 74.03,20.73 74.03,20.67 74.27,20.44 v1(74.27,20.35) 74.49,20.12 ; 72.96,20.34 v1(72.97,20.34) ; 72.96,20.34 72.73,20.11 72.64,20.11 ; 72.96,20.34 72.88,20.34 72.64,20.11 ; v1(67.22,19.27) v1(67.82,19.87) ; C3818.2 96.79,17.59 97.04,17.35 97.06,17.35 97.08,17.33 97.12,17.33 97.15,17.3 v1(97.3,17.3) ; v1(72.32,19.05) 72,18.73 C1901.2 ; v1(72.32,19.05) 71.99,19.37 C1035.2 72.31,19.69 v1(72.32,19.69) ; v1(72.32,19.05) 72.63,18.73 72.63,18.53 72.12,18.53 C1901.2 ; v1(72.32,19.05) 72.32,19.05 C1026.2 72.32,19.69 v1(72.32,19.69) ; 72.64,20.11 72.41,20.34 72.32,20.34 ; 72.64,20.11 U1000.2D6 72.32,19.7 v1(72.32,19.69) ; v1(89.84,20.67) 90.29,20.22 C3842.2 90.45,20.21 v1(90.64,20.02) 90.69,20.02 C3834.2 91.34,19.37 v1(91.44,19.37) ; v1(88.24,16.77) 87.96,16.49 C3807.2 ; v1(71.02,20.35) 71.12,20.35 C1017.2 71.57,20.35 v1(71.67,20.35) ; C1901.2 71.75,18.4 v1(71.67,18.4) 71.37,18.1 C1034.2 ; v1(86.93,24.57) 87.06,24.7 87.06,24.72 87.28,24.94 ; C1010.2 72.97,24.79 v1(72.97,24.89) ; C1010.2 72.97,24.34 v1(72.97,24.24) ; C1010.2 72.74,24.6 ; v1(73.62,27.5) 73.66,27.54 73.99,27.54 C1406.2 ; v1(91.7,29.84) 91.54,29.84 91.39,30 C3832.2 ; C3828.2 88.23,20.67 v1(88.24,20.67) ; 71.39,23.21 C1005.2 ; v1(89.84,18.07) v1(89.19,18.72)
  BOTTOM w0.279: C3827.2 96.84,23.07 v1(97.04,23.27)
  BOTTOM w0.305: 76.69,21.56 76.33,21.92 76.33,22.14 v1(76.17,22.3) 76.4,22.53 C1200.2 76.25,22.76 76.25,22.86 v1(76.14,22.97) ; 76.69,21.56 76.2,21.07 v1(76.2,21.03) 76.44,20.8 C1201.2 ; 76.69,21.56 76.82,21.43 v1(76.82,21.07) 76.45,20.7 C1201.2 ; 89.73,16.23 89.19,16.77 v1(89.04,16.77) ; C3818.2 96.66,17.65 v1(96.24,18.07) ; C1209.2 74.58,21.96 ; C1116.2 70.18,17.17 v1(70.05,17.17) ; v1(22.69,3.63) 22.45,3.4 C5019.2 ; C3841.2 87.06,26.18 87.06,26.39 v1(86.93,26.52) ; C3808.2 93.64,17.07 ; 93.64,17.07 93.64,17.22 v1(93.84,17.42) ; 93.64,17.07 93.29,17.42 v1(93.19,17.42) ; v1(71.67,20.35) 71.9,20.11 C1016.2 ; 74.59,20.67 74.59,20.67 v1(74.27,20.35) ; v1(93.98,20.03) 93.95,20.01 93.9,20.01 v1(93.22,19.34) ; v1(97.04,18.72) 97.12,18.72 97.4,19 ; v1(72.97,26.2) 72.88,26.2 72.65,25.96 C1503.2 72.61,26.02 72.09,26.54 C1405.2 ; v1(73.65,17.17) 73.69,17.17 74.01,16.85 C1903.2 74.2,16.85 ; C3844.2 88.24,18.36 v1(88.24,18.72) ; C3829.2 96.91,20.83 v1(97.05,20.69) ; C3806.2 89.41,25 v1(89.19,25.22) ; C3800.2 95.69,19.47 v1(95.59,19.37) ; v1(89.96,23.27) 89.99,23.3 C3833.2 ; v1(91.44,25.87) 91.5,25.81 C3816.2 92.6,25.81 92.78,25.64 C3837.2 93.09,25.32 v1(93.19,25.22) ; v1(96.39,25.22) 96.32,25.15 96.32,24.64 v1(96.39,24.57) 96.62,24.34 C3839.2 ; C1005.2 71.45,23.18 71.45,22.63 C1001.2 71.43,22.52 v1(71.67,22.28) 71.67,22.28 ; C1201.2 76.44,20.61 v1(76.19,20.37) ; v1(90.64,24.57) 90.85,24.36 C3838.2 ; 70.16,23.73 C1023.2 70.16,23.15 v1(70.37,22.95) v1(70.37,22.3) ; v1(72.97,24.24) 72.74,24.01 C1011.2 72.74,23.82 72.97,23.6 v1(72.97,23.59) ; 72.32,20.34 72.09,20.11 C1016.2 ; v1(74.27,19.7) 74.49,19.47 C1027.2 74.49,19.27 v1(74.27,19.05) 74.09,18.87 74.09,18.37 74.4,18.06 C1214.2 74.58,18.06 v1(74.89,18.37) 75.12,18.6 C1800.2 75.34,18.6 v1(75.57,18.37) ; v1(89.99,16.77) 89.62,17.14 89.62,17.7 C3810.2 89.6,17.83 v1(89.84,18.07) ; v1(89.51,13.59) 89.74,13.59 C3831.2 ; C3812.2 94.4,16.12 v1(94.79,16.12) ; v1(92.38,20.01) 92.38,20.61 92.33,20.67 ; v1(93.19,14.8) 93.08,14.8 92.92,14.63 C3809.2 ; C1016.2 71.99,20.02 v1(72.32,19.69) ; C4005.2 41.42,9.67 v1(41.63,9.88) 41.65,9.9 C4000.2 ; v1(67.87,18.07) 67.29,18.65 C1308.2 67.29,19.2 v1(67.22,19.27) ; C3819.2 91.63,14.82 v1(91.44,14.82) ; v1(73.65,24.9) 73.96,25.2 C1300.2 73.94,25.25 ; 74.45,28.72 74.52,28.8 74.82,28.8 v1(74.84,28.82) ; 71,26.2 v1(71.01,26.19) ; R1203.2 75.67,17.63 v1(75.59,17.71)
  BOTTOM w0.406: 82.22,41.48 v1(81.61,40.87)
  BOTTOM w0.508: 74.2,1.4 v1(67.14,1.4) 55.96,1.4 55.34,2.02 J9912.3
  vias: v1(0.59,25.12) v1(0.59,21.92) v1(0.74,43.36) v1(0.74,40.92) v1(0.69,27.36) v1(0.69,15.01) v1(0.74,7.8) v1(0.89,20.7) v1(0.89,18.77) v1(0.89,12.62) v1(0.89,10.39) v1(1.4,42.54) v1(1.65,31.42) v1(1.7,33.4) v1(2.11,8.66) v1(2.37,10.64) v1(2.72,18.52) v1(2.87,15.52) v1(2.92,12.57) v1(3.48,39.39) v1(4.6,4.95) v1(4.85,43.31) v1(5.01,1.04) v1(5.16,13.23) v1(5.21,8.71) v1(5.36,19.74) v1(5.41,31.77) v1(5.41,28.93) v1(5.57,30.3) v1(5.62,42.7) v1(5.82,3.17) v1(6.12,21.16) v1(6.58,43.36) v1(6.78,41.27) v1(6.78,10.59) v1(6.89,42.44) v1(7.04,16.33) v1(7.04,5.66) v1(7.14,2.77) v1(7.19,36.14) v1(7.24,34.92) v1(7.65,43.2) v1(7.65,40.61) v1(7.6,38.94) v1(7.8,8.41) v1(7.9,42.75) v1(8.16,38.58) v1(8.41,38.02) v1(8.51,38.94) v1(8.66,36.19) v1(8.92,42.9) v1(8.87,38.58) v1(9.12,37.62) v1(9.17,40.56) v1(9.17,38.23) v1(9.58,37.87) v1(9.83,36.45) v1(9.93,41.12) v1(9.99,42.39) v1(9.99,2.41) v1(10.19,11.4) v1(10.29,36.55) v1(10.39,40.61) v1(10.44,37.01) v1(10.49,25.12) v1(10.8,36.6) v1(11.05,33.86) v1(11.2,32.49) v1(11.41,29.79) v1(11.46,27) v1(11.41,2.36) v1(11.51,33.86) v1(11.97,38.28) v1(11.92,37.41) v1(11.97,33.86) v1(12.02,43.51) v1(12.22,36.75) v1(12.27,37.16) v1(12.53,38.38) v1(12.68,1.35) v1(12.88,37.01) v1(12.98,0.53) v1(13.39,43.1) v1(13.39,9.17) v1(13.54,37.06) v1(13.49,32.44) v1(13.69,29.54) v1(14.81,12.57) v1(14.81,9.88) v1(15.22,38.23) v1(15.98,32.74) v1(16.03,22.28) v1(16.13,41.73) v1(16.18,40.51) v1(16.18,25.53) v1(16.49,30.86) v1(17.15,40.87) v1(17.33,37.97) v1(17.61,33.76) v1(17.83,38.99) v1(17.81,38.38) v1(17.96,40.51) v1(17.91,2.62) v1(18.21,38.73) v1(18.72,34.11) v1(18.88,28.27) v1(18.88,9.52) v1(19.1,40.51) v1(19.38,39.95) v1(19.43,17.14) v1(19.79,36.96) v1(19.94,40.31) v1(20.04,9.52) v1(20.25,38.86) v1(20.55,40.56) v1(20.75,39.12) v1(20.88,38.35) v1(21.11,40.66) v1(21.39,39.24) v1(21.72,40.66) v1(21.72,13.79) v1(22.02,39.24) v1(22.23,29.69) v1(22.38,40.72) v1(22.48,41.48) v1(22.53,5.97) v1(22.69,31.11) v1(22.79,39.24) v1(22.99,40.92) v1(23.42,39.24) v1(23.55,41.38) v1(23.55,40.77) v1(23.8,42.54) v1(23.8,41.78) v1(24.06,43.18) v1(24.06,40.89) v1(24.06,39.37) v1(24.26,32.99) v1(24.31,31.47) v1(24.56,42.93) v1(24.69,39.5) v1(25.2,39.75) v1(25.33,43.43) v1(25.28,26.14) v1(25.53,5.97) v1(25.83,40) v1(25.94,5.56) v1(26.09,42.8) v1(26.22,40.77) v1(26.22,40.26) v1(26.47,43.43) v1(26.72,40.64) v1(26.85,42.67) v1(26.85,8.56) v1(26.98,42.04) v1(27.1,41.27) v1(27.49,42.54) v1(27.61,41.78) v1(28.12,42.29) v1(28.17,23.55) v1(28.32,34.82) v1(28.48,37.79) v1(28.73,36.3) v1(28.68,20.14) v1(29.49,20.14) v1(29.75,21.21) v1(31.02,31.11) v1(31.02,30.3) v1(31.02,29.39) v1(31.02,27.51) v1(31.02,25.93) v1(31.12,44.47) v1(31.93,30.3) v1(31.93,29.39) v1(31.93,28.52) v1(31.93,27.51) v1(31.93,26.8) v1(31.93,25.93) v1(32.29,44.37) v1(32.74,31.11) v1(32.74,30.3) v1(32.74,29.39) v1(32.74,28.52) v1(32.74,27.51) v1(32.74,26.8) v1(32.74,25.93) v1(32.79,14.15) v1(33.61,30.3) v1(33.61,29.39) v1(33.61,28.52) v1(33.61,27.51) v1(33.61,26.8) v1(33.61,25.93) v1(33.76,44.07) v1(34.47,31.11) v1(34.47,30.3) v1(34.47,29.39) v1(34.47,28.52) v1(34.47,27.51) v1(34.47,26.8) v1(34.47,25.93) v1(34.57,20.14) v1(34.72,44.42) v1(35.06,41.53) v1(35.03,16.84) v1(35.28,31.11) v1(35.28,30.3) v1(35.28,29.39) v1(35.28,28.52) v1(35.28,27.51) v1(35.28,26.8) v1(35.28,25.93) v1(35.39,20.14) v1(36.2,31.11) v1(36.2,30.3) v1(36.2,29.39) v1(36.2,28.52) v1(36.2,27.51) v1(36.2,25.93) v1(36.71,7.9) v1(37.52,44.42) v1(37.52,3.68) v1(38.28,16.64) v1(38.28,16.23) v1(39.65,16.18) v1(39.7,44.42) v1(40.01,20.14) v1(41.94,44.42) v1(42.4,18.52) v1(45.19,44.42) v1(47.02,0.94) v1(47.07,44.42) v1(47.93,27.46) v1(47.93,1.6) v1(49.05,8.46) v1(49.1,44.47) v1(49.15,36.4) v1(50.63,44.47) v1(50.68,12.62) v1(51.03,8.61) v1(52,12.78) v1(52.25,6.27) v1(53.65,20.19) v1(53.67,44.12) v1(54.49,43.31) v1(54.49,12.83) v1(54.66,20.19) v1(55.4,0.58) v1(55.5,6.83) v1(55.91,6.43) v1(55.91,2.06) v1(56.72,0.63) v1(57.84,29.03) v1(58.3,1.35) v1(59.26,17.77) v1(60.02,1.35) v1(60.07,7.34) v1(62.31,1.35) v1(62.82,4.24) v1(62.92,7.19) v1(62.97,33.5) v1(63.93,0.58) v1(64.95,0.58) v1(65.15,1.04) v1(65.71,32.94) v1(67.24,3.48) v1(67.95,33.25) v1(68,6.63) v1(68.41,1.35) v1(69.07,6.17) v1(70.18,6.58) v1(70.59,1.35) v1(70.95,4.19) v1(72.52,35.38) v1(73.04,20.92) v1(73.23,1.35) v1(73.62,21.65) v1(74.4,36.96) v1(74.7,9.22) v1(75.87,0.63) v1(76.89,43.97) v1(77.5,44.53) v1(78.01,0.58) v1(78.41,44.53) v1(79.38,4.29) v1(79.48,0.58) v1(79.78,44.53) v1(80.8,44.53) v1(81.31,0.58) v1(83.29,44.53) v1(84.51,34.21) v1(84.58,35.94) v1(85.12,40.87) v1(85.22,34.21) v1(87.46,3.12) v1(87.61,9.88) v1(89.49,36.6) v1(90.2,34.26) v1(91.01,5.21) v1(91.01,0.53) v1(91.11,40.87) v1(92.13,5.21) v1(92.13,4.04) v1(93.2,34.26) v1(93.25,5.21) v1(93.3,0.79) v1(94.16,2.21) v1(94.82,10.85) v1(95.94,12.06) v1(96.24,9.78) v1(96.35,0.69) v1(96.45,40.87) v1(96.85,13.49) v1(97.06,5.71) v1(97.26,13.64) v1(98.63,26.9) v1(98.78,0.63) v1(99.29,22.99) v1(100.21,40.87) v1(101.53,36.75) v1(101.73,40.87) v1(101.88,0.63) v1(102.44,31.77) v1(102.85,33.45) v1(103.1,27.61) v1(103.46,31.77) v1(103.81,29.03) v1(103.81,0.74) v1(103.97,19.99) v1(103.91,2.31) v1(104.42,28.12) v1(104.37,3.38) v1(106.61,3.23) v1(107.78,17.5) v1(107.78,15.21) v1(108.13,3.17) v1(108.49,44.53) v1(108.69,5.21) v1(109.1,15.21) v1(109.86,20.8) v1(110.06,44.53) v1(110.01,3.28) v1(110.52,17.5) v1(111.79,6.22) v1(112.25,17.09) v1(112.25,4.34) v1(112.25,3.17) v1(112.75,33.91) v1(112.86,40.16) v1(113.26,44.47) v1(113.57,41.07) v1(113.72,23.6) v1(113.77,21.41) v1(113.77,20.4) v1(113.92,5.92) v1(114.13,3.33) v1(114.94,32.03) v1(114.94,30.81) v1(115.34,40.16) v1(116.51,28.12) v1(116.72,40.41) v1(118.85,40.82) v1(119.21,38.73) v1(119.87,44.07) v1(119.81,15.67) v1(119.87,6.37) v1(120.27,3.07) v1(120.48,29.18) v1(120.48,26.09) v1(120.48,24.97) v1(120.68,27.2) v1(121.03,40.26) v1(121.19,36.35) v1(121.19,21.61) v1(121.24,5.71) v1(121.29,22.88) v1(121.49,42.65) v1(121.9,28.57) v1(122,44.37) v1(122.2,35.53) v1(122.3,36.6) v1(122.3,22.64) v1(122.46,21.16) v1(122.56,4.04) v1(122.66,12.88) v1(122.71,42.04) v1(122.71,8.81) v1(123.17,29.18) v1(123.32,6.83) v1(123.62,4.5) v1(123.78,22.64) v1(124.13,44.42) v1(124.08,35.64) v1(124.23,39.55) v1(124.29,42.6) v1(124.29,32.84) v1(124.29,29.39) v1(124.34,28.17) v1(124.29,19.99) v1(124.44,22.99) v1(124.39,13.74) v2(25.73,17.3) v2(28.73,18.52) v2(34.57,18.52) v2(34.57,16.84) v2(36.05,18.52) v2(40.16,21.87) v2(42.04,28.88) v2(42.09,36.04) v2(42.09,35.28) v2(42.14,21.87) v2(43.61,34.77) v2(44.43,19.07) v2(45.14,28.88) v2(59.77,4.29) v2(60.02,6.32) v2(83.39,9.88) v2(84.92,9.83) v2(86.34,9.83) v2(109.91,12.47) v2(109.91,11.51) v2(109.91,10.49) v2(110.87,12.47) v2(110.87,11.51) v2(110.87,10.49) v2(111.89,12.47) v2(111.89,11.51) v2(111.89,10.49) v2(113.52,13.59) v2(114.99,10.69) v2(117.38,2.11) v2(117.38,1.09) v2(117.88,2.11) v2(117.88,1.6) v2(117.88,1.09) v2(118.39,2.11) v2(118.39,1.6) v2(118.39,1.09) v2(118.9,2.11) v2(118.9,1.6) v2(118.9,1.09) v2(119.41,2.11) v2(119.41,1.6) v2(119.41,1.09) v2(120.53,0.84) v2(121.85,19.33) v2(122.35,19.33) v2(124.18,9.88) v2(124.29,1.8) v2(124.49,18.41) v2(124.49,16.48) v2(124.49,15.16)
